# Altium PCB smu_unit.PcbDoc (part 3 of 3)
Units mil, origin at the board's own origin, x right, y up, seen from the top; angles counter-clockwise.
Board outline 6066 x 1900 mil, 4 copper layers (L1, L2, L3, L4), stack 64.6 mil thick; 154 components, 103 nets, 549 pads, 1003 vias.
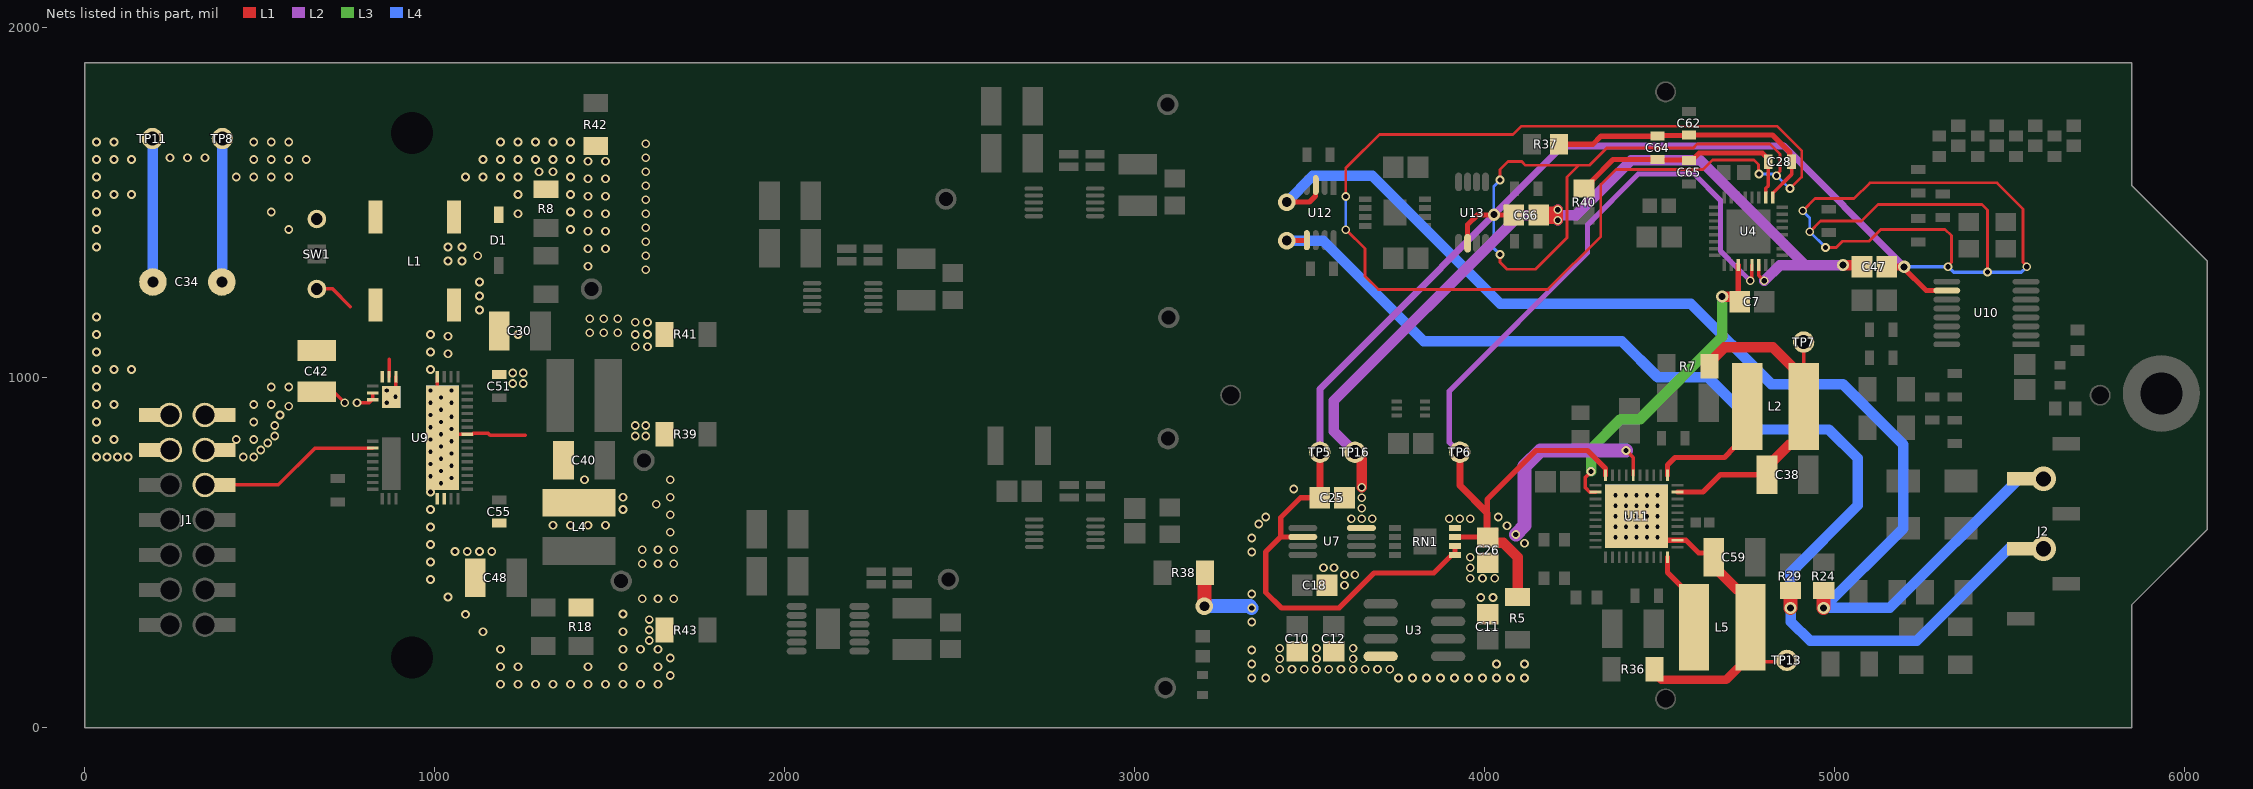
[diagram p5: the nets of this part, all layers, seen from the top]

## Via types
v1: diameter 25, hole 15, L1 to L4, tented both sides, 880 vias
v2: diameter 20, hole 12, L1 to L4, tented both sides, 59 vias
v3: diameter 35, hole 20, L1 to L4, tented both sides, 37 vias
v4: diameter 50, hole 28, L1 to L4, tented both sides, 16 vias
v5: diameter 70.87, hole 43.31, L1 to L4, tented both sides, 6 vias
v6: diameter 40, hole 25, L1 to L4, tented both sides, 3 vias
v7: diameter 35, hole 20, L1 to L4, tented bottom, 1 vias
v8: diameter 40, hole 20, L1 to L4, tented both sides, 1 vias

## Nets (pads, with @x,y where several pads share a name; then routed paths per layer and width w, separated by ;. In a path a pad name is that pad's centre, name@x,y a point inside that pad or via, vN(x,y) a via of type N, cw(c..) or ccw(c..) an arc to the next point about the centre after c; other vN are vias at no path point) (continued)
PGNDP: C34.2 C42.1 J1.3 J1.4 pad.1@243.11,793.59 pad.1@343.11,793.59 SW1.2 TP11.1 U9.28 U9.32 U9.33 U9.44 | length 626.8
  L1 w10: C42.1@663.11,958.59 713.11,958.59 v1(743.11,928.59) ; v1(778.11,928.59) 813.11,928.59 823.11,938.59 U9.32@823.11,953.59 ; U9.44@888.11,944.03 889.21,945.13 U9.28@889.21,1003.2
  L3 w10: TP11.1@193.11,1683.59 TP11.1@193.9,1682.81 ; C34.2@193.9,1274.38 C34.2@194.68,1273.59
  L4 w30: C34.2@193.9,1274.38 TP11.1@193.9,1682.81
  other v1: 33.11,773.59 63.11,773.59 93.11,773.59 123.11,773.59 453.11,773.59 483.11,773.59 503.11,793.59 523.11,813.59 33.11,823.59 83.11,823.59 433.11,823.59 483.11,823.59 543.11,833.59 543.11,863.59 33.11,873.59 483.11,873.59 558.11,893.59 583.11,918.59 33.11,923.59 83.11,923.59 483.11,923.59 533.11,923.59 33.11,973.59 533.11,973.59 583.11,973.59 33.11,1023.59 83.11,1023.59 133.11,1023.59 33.11,1073.59 33.11,1123.59 33.11,1173.59 33.11,1373.59 33.11,1423.59 583.11,1423.59 33.11,1473.59 533.11,1473.59 33.11,1523.59 83.11,1523.59 133.11,1523.59 33.11,1573.59 433.11,1573.59 483.11,1573.59 533.11,1573.59 583.11,1573.59 33.11,1623.59 83.11,1623.59 133.11,1623.59 483.11,1623.59 533.11,1623.59 583.11,1623.59 633.11,1623.59 243.11,1628.59 293.11,1628.59 343.11,1628.59 33.11,1673.59 83.11,1673.59 483.11,1673.59 533.11,1673.59 583.11,1673.59
  other v2: 863.11,928.59 888.11,945.59 863.11,963.59
PGOOD: J1.6 pad.1@343.11,693.59 U9.35 | length 523.5
  L1 w10: pad.1@343.11,693.59 J1.6@395.47,693.59 553.11,693.59 658.58,799.07 U9.35@822.88,799.07
REFGND: C10.2 C11.2 C12.2 C18.2 C25.1 C26.1 C47.1 C66.1 R38.2 RN1.4 TP16.1 U3.4 U4.6 U7.4 U11.6 | length 3304
  L1 w10: v1(4405,792) 4425.13,771.87 4425.13,721.64 U11.6@4425.27,721.5 ; U4.6@4784.69,1322 4784.69,1292.31 v1(4800,1277)
  L1 w30: TP16.1@3630,787 3650,767 v1(3650,687) ; v1(4210,1450) v1(4210,1480) ; v3(5025,1322) 5025.96,1321.04 5075.52,1321.04 C47.1@5079.57,1317
  L1 w40: v4(3200,347) 3200,440.46 R38.2@3202.13,442.59
  L1 w50: C66.1@4155.43,1465 4200,1465
  L2 w30: TP16.1@3630,787 3570,847 3570,934 4101,1465 4195,1465 ; v1(4210,1450) 4210,1465 ; v1(4210,1480) 4210,1465 ; v1(4800,1277) 4845,1322 4917,1322 ; v3(5025,1322) 4917,1322 ; 4210,1465 4263,1465 4420,1622 4617,1622 4917,1322
  L2 w40: v1(4090,552) 4115,577 4115,747 4160,792 v1(4405,792)
  L4 w40: v4(3200,347) 3330,347 v1(3335,342)
  other v1: 3335,142 3375,142 3755,142 3795,142 3835,142 3875,142 3915,142 3955,142 3995,142 4035,142 4075,142 4115,142 3415,167 3450,167 3485,167 3520,167 3555,167 3590,167 3625,167 3660,167 3695,167 3730,167 3335,182 4035,182 4115,182 3415,197 3520,197 3625,197 3335,222 3415,227 3520,227 3625,227 3335,302 3990,372 4025,372 3335,382 3600,407 3960,427 3995,427 4030,427 3600,437 3630,437 3540,457 3570,457 3960,457 3960,487 3335,502 4115,527 3335,542 4065,577 3355,582 3620,597 3650,597 3680,597 3900,597 3930,597 3960,597 3375,602 4040,602 3650,627 3650,657 3455,682
SGND1: C30.2 C40.1 C48.2 C51.1 C55.2 L1.1 L4.2 R8.1 R18.1 R39.2 R41.1 R42.1 R43.1 U9.4 U9.5 U9.16 U9.27 U9.43 | length 488.9
  L1 w10: U9.43@1006.03,812.42 U9.43@1022.2,828.59 ; U9.43@1007.32,828.59 U9.27@1007.32,1003.2 ; U9.43@1027.01,803.59 1027.01,808.5 U9.43@1027.01,823.79 ; U9.43@1027.11,803.59 1022.2,808.5 1022.2,823.79 U9.43@1022.2,828.59 ; 1259.11,835.59 1158.11,835.59 1153.11,840.59 1110.06,840.59 1108.06,838.59 1093.5,838.59 U9.16@1093.34,838.44 1093.34,838.59 1093.18,838.44 1032.04,838.44 U9.43@1022.2,828.59
  other v1: 1188.11,123.59 1238.11,123.59 1288.11,123.59 1338.11,123.59 1388.11,123.59 1438.11,123.59 1488.11,123.59 1538.11,123.59 1588.11,123.59 1638.11,123.59 1673.11,148.59 1188.11,173.59 1238.11,173.59 1438.11,173.59 1538.11,173.59 1638.11,173.59 1673.11,198.59 1188.11,223.59 1538.11,223.59 1588.11,223.59 1638.11,223.59 1613.11,248.59 1138.11,273.59 1538.11,273.59 1613.11,278.59 1613.11,308.59 1088.11,323.59 1538.46,324.64 1593.11,368.59 1638.11,368.59 1683.11,368.59 1038.11,373.59 988.11,423.59 1593.11,468.59 1638.11,468.59 1683.11,468.59 988.11,473.59 1058.11,503.59 1093.11,503.59 1128.11,503.59 1163.11,503.59 1593.11,508.59 1638.11,508.59 1683.11,508.59 988.11,523.59 1673.11,558.59 988.11,573.59 1338.11,578.59 1388.11,578.59 1438.11,578.59 1488.11,578.59 1673.11,608.59 988.11,623.59 1538.11,623.59 1633.11,638.59 1538.11,658.59 1673.11,658.59 988.11,673.59 1428.11,708.59 1673.11,708.59 1573.11,833.59 1603.11,833.59 1573.11,863.59 1603.11,863.59 1223.11,983.59 1253.11,983.59 1223.11,1013.59 1253.11,1013.59 988.11,1023.59 1038.11,1068.59 988.11,1073.59 1573.11,1088.59 1608.11,1088.59 1038.11,1118.59 988.11,1123.59 1238.11,1123.59 1573.11,1123.59 1608.11,1123.59 1443.11,1128.59 1483.11,1128.59 1523.11,1128.59 1573.11,1158.59 1608.11,1158.59 1443.11,1168.59 1483.11,1168.59 1523.11,1168.59 1128.11,1193.59 1128.11,1233.59 1128.11,1273.59 1603.11,1308.59 1438.11,1318.59 1038.11,1333.59 1078.11,1333.59 1123.11,1348.59 1603.11,1348.59 1438.11,1368.59 1488.11,1368.59 1038.11,1373.59 1078.11,1373.59 1603.11,1388.59 1438.11,1418.59 1488.11,1418.59 1388.11,1423.59 1603.11,1428.59 1238.11,1468.59 1438.11,1468.59 1488.11,1468.59 1603.11,1468.59 1388.11,1473.59 1603.11,1508.59 1438.11,1518.59 1488.11,1518.59 1238.11,1523.59 1388.11,1523.59 1603.11,1548.59 1438.11,1568.59 1488.11,1568.59 1088.11,1573.59 1138.11,1573.59 1188.11,1573.59 1238.11,1573.59 1388.11,1573.59 1298.11,1588.59 1338.11,1588.59 1603.11,1588.59 1438.11,1618.59 1488.11,1618.59 1138.11,1623.59 1188.11,1623.59 1238.11,1623.59 1288.11,1623.59 1338.11,1623.59 1388.11,1623.59 1603.11,1628.59 1603.11,1668.59 1188.11,1673.59 1238.11,1673.59 1288.11,1673.59 1338.11,1673.59 1388.11,1673.59
  other v2: 1018.11,698.59 1048.11,713.59 988.11,718.59 1018.11,733.59 1048.11,748.59 988.11,753.59 1018.11,768.59 1048.11,783.59 988.11,788.59 1018.11,803.59 1048.11,818.59 988.11,823.59 1018.11,838.59 1048.11,853.59 988.11,858.59 1018.11,873.59 1048.11,888.59 988.11,893.59 1018.11,908.59 988.11,928.59 1048.11,928.59 1018.11,943.59 988.11,963.59 1048.11,963.59
SW+: L2.1 U11.1 | length 373.4
  L1 w15: U11.1@4523.69,721.5 4523.69,750.69 4545,772 4686,772 4715.48,801.48 4751.29,837.29 L2.1@4751.29,918
SW-: L5.1 U11.30 | length 231.3
  L1 w15: U11.30@4523.69,487 4523.69,443.31 4599.29,367.71 L5.1@4599.29,287
SWP: L1.3 U9.29 | length 49
  L1 w10: U9.29@869.53,1003.2 869.53,1052.18
SWPS: D1.1 L1.4
VDPC+: C38.1 L2.2 R7.2 TP7.1 U11.39 | length 1046.3
  L1 w10: TP7.1@4910,1102 4912.71,1099.29 4912.71,998.71 L2.2@4912.71,918
  L1 w15: U11.39@4552.36,673.15 4625.31,673.15 4675.17,723 C38.1@4807.94,723
  L1 w30: R7.2@4643.02,1033 4643.02,1042.84 4687.18,1087 4824.42,1087 L2.2@4912.71,998.71 ; C38.1@4807.94,723 4807.94,748.59 4822.47,763.12 4826.12,763.12 4871.98,808.98 4884.4,808.98 4912.71,837.29 L2.2@4912.71,918 ; TP7.1@4910,1102 TP7.1@4912.71,1102
VDPC-: C59.2 L5.2 R36.2 TP13.1 U11.32 U11.41 | length 964.3
  L1 w10: C59.2@4655.94,487 C59.2@4673.24,469.71 ; L5.2@4760.71,287 4760.71,230.31 4760.71,226.31 4799.02,188 4861,188 TP13.1@4865,192
  L1 w15: U11.41@4514.4,536 4515.04,535.35 U11.32@4552.36,535.35 4576.65,535.35 4612.7,499.3 4643.65,499.3 C59.2@4655.94,487
  L1 w25: R36.2@4486.02,167 4486.02,157.16 4506.18,137 4691.42,137 4760.71,206.29 L5.2@4760.71,230.31
  L1 w30: C59.2@4655.94,487 4655.94,461.41 4721.34,396.02 4732.4,396.02 4760.71,367.71 L5.2@4760.71,287
  other v2: 4375.11,544.25 4405.11,544.25 4435.11,544.25 4465.11,544.25 4495.11,544.25 4375.11,574.25 4405.11,574.25 4435.11,574.25 4465.11,574.25 4495.11,574.25 4375.11,604.25 4405.11,604.25 4435.11,604.25 4465.11,604.25 4495.11,604.25 4375.11,634.25 4405.11,634.25 4435.11,634.25 4465.11,634.25 4495.11,634.25 4375.11,664.25 4405.11,664.25 4435.11,664.25 4465.11,664.25 4495.11,664.25
VINP: C34.1 C42.2 J1.1 J1.2 L1.2 pad.1@243.11,893.59 pad.1@343.11,893.59 SW1.3 TP8.1 U9.30 | length 527.4
  L1 w10: SW1.3@663.11,1253.59 708.11,1253.59 758.83,1202.87
  L3 w10: C34.1@391.53,1273.59 C34.1@392.32,1274.38 ; TP8.1@392.32,1682.81 TP8.1@393.11,1683.59
  L4 w30: C34.1@392.32,1274.38 TP8.1@392.32,1682.81
VLDO: C7.1 U4.3 U11.12 | length 916.8
  L1 w10: v1(4305,732) 4305,731 4289,715 4289,686 4301.85,673.15 U11.12@4317.86,673.15
  L1 w15: U4.3@4725.63,1322 4725.63,1240.94 C7.1@4729.57,1237
  L1 w30: v3(4680,1232) 4714.57,1232 C7.1@4729.57,1217
  L3 w30: v1(4305,732) 4305,797 4390,882 4445,882 4680,1117 v3(4680,1232)
Vref: C26.2 R5.2 RN1.3 TP6.1 U4.5 U11.10 | length 2691.5
  L1 w10: v1(4760,1277) 4765,1282 U4.5@4765,1322
  L1 w15: RN1.3@3915.91,544.59 C26.2@4007.84,544.59 ; 4008,614 4008,652 4148,792 4295,792 4346.53,740.47 U11.10@4346.53,721.5 ; C26.2@4024.53,553.52 4024.53,555.98 C26.2@4033.01,564.46
  L1 w20: TP6.1@3930,787 3930,692 4008,614 4008,544.43 C26.2@4010,542.43
  L1 w30: C26.2@4010,542.43 4024.53,527.91 4054.09,527.91 4095,487 R5.2@4095,373.02
  L2 w15: TP6.1@3930,787 3928,787 3900,815 3900,962 4295,1357 4295,1437 4440,1582 4600,1582 4675,1507 4675,1362 4724.04,1312.96 v1(4760,1277)
Vref/2: C25.2 C47.2 C66.2 RN1.1 RN1.2 TP5.1 U7.6 U10.10 U13.2 | length 11487.4
  L1 w8: v1@3602,1423 3605,1423 3659,1369 3659,1290 3697,1252 4181,1252 4333,1404 4333,1552 4376,1595 4625,1595 4652,1622 4771,1622 4784,1609 4784,1583 v1(4785,1582) ; v1(3604,1518) 3604,1599 3615,1610 3700,1695 4082,1695 4106,1719 4837,1719 4907,1649 4907,1574 v1@4875,1542 ; v1(4045,1352) 4045,1330 4065,1310 4146,1310 4153,1317 4236,1400 4236,1574 4269,1607 4271,1607 ; v1(4045,1565) 4045,1595 4068,1618 4107,1618 4118,1607 4120,1607 4271,1607 ; v1(4835,1577) 4835,1580.19 4845,1590.19 4845,1639 4816,1668 4608,1668 4597,1657 4350,1657 4300,1607 4271,1607 ; v1(4910,1477) 4945,1512 5057,1512 5102,1557 5198,1557 ; v1(4930,1417) 4961,1448 5017,1448 5078,1448 5125,1495 5212,1495 ; v1(4975,1372) 5006,1372 5024,1390 5099,1390 5133,1424 5208.67,1424 5317,1424 5335,1406 5335,1335.66 5335,1330.19 5325,1320.19 v1(5325,1317) v1@5325,1325.66 ; 5196.68,1557 5465,1557 5540,1482 5540,1335.66 5540,1330.19 5550,1320.19 v1(5550,1317) v1@5550,1325.66 ; 5209.55,1495 5422,1495 5438,1479 v1(5438,1302)
  L1 w10: U7.6@3479.57,544.8 U7.6@3481.34,544.8
  L1 w15: U7.6@3479.57,544.8 3417.8,544.8 ; C25.2@3530,657.43 C25.2@3529.57,657 3475,657 3417.8,599.8 3417.8,544.8 ; RN1.2@3915.91,519 RN1.1@3915.91,493.41 3906.67,493.41 3905.91,492.64 3855.26,442 3685,442 3585,342 3420,342 3375,387 3375,502 3417.8,544.8 ; U13.2@3952.2,1384.4 3952.2,1437.2 3980,1465 C66.2@4084.57,1465 ; v3(5200,1317) 5200,1312 5263.02,1248.98 U10.10@5321.8,1248.98
  L1 w20: C25.2@3530,657.43 TP5.1@3530,785 ; C47.2@5150.43,1317 v3(5200,1317)
  L2 w20: TP5.1@3530,787 3530,968 4224,1662 4856,1662 5200,1318 v3(5200,1317)
  L4 w8: v1(3604,1423) v1(3604,1518) ; v1(4045,1352) 4027,1370 4027,1547 v1(4045,1565) ; v1(4785,1582) 4825.4,1582 4830.4,1577 4836,1577 4871,1542 v1@4875,1542 ; v1(4910,1477) 4930,1457 v1(4930,1417) ; v1@4931,1417 4975,1373 v1@4975,1371
  L4 w10: v3@5199,1318 v3(5200,1317) v1(5325,1317) ; v1@5325,1318 5342,1301 5535,1301 v1@5550,1316
  other v1: 4874,1541
  other v3: 4028,1466
VSENSE+: J2.2 R24.2 U12.3 | length 3625.8
  L1 w15: v4(3435,1502) 3500,1502 3517.79,1519.79 3517.79,1550.34 U12.3@3518.2,1550.76
  L1 w40: v3(4970,342) R24.2@4970,391.65
  L4 w30: v4(3435,1502) 3510,1577 3680,1577 4045,1212 4590,1212 4820,982 5025,982 5198,809 5198,570 v3(4970,342) 5159,342 5529,712 v5@5597.96,712
  other v5: 5598.04,711
VSENSE+/ADC: C28.2 C64.2 C65.1 R40.2 U4.18 | length 680.6
  L1 w10: U4.18@4804.37,1526.65 4804.37,1541.37 4811,1548 4811,1607.54 C28.2@4810.54,1608
  L1 w15: R40.2@4285,1540.39 4288.94,1540.39 4307.03,1558.48 4307.03,1562.41 4368.15,1623.54 C64.2@4495,1623.54 4496.54,1622 4583.46,1622 C65.1@4585,1620.46 4592.87,1620.46 4614.41,1642 4794.41,1642 4811.54,1624.87 C28.2@4811.54,1617 ; C28.2@4810.54,1608 C28.2@4810.54,1615.87
VSENSE-: J2.4 R29.2 U12.5 | length 3398.5
  L1 w15: v4(3435,1392) 3491.37,1392 U12.5@3492.61,1393.24
  L1 w40: v3(4875,342) R29.2@4875,391.65
  L4 w30: v4(3435,1392) 3539,1392 3826.5,1104.5 4392.5,1104.5 4495,1002 4639,1002 4789,852 4985,852 5067,770 5067,635 4875,443 v3(4875,342) 4875.96,341.04 4875.96,303.04 4931,248 5236,248 5500,512 v5@5597.96,512
  other v5: 5598.04,511
VSENSE-/ADC: C28.1 C62.2 C64.1 R37.2 U4.17 | length 829.7
  L1 w10: U4.17@4824.06,1514.91 4824.06,1527.06 4878,1581 C28.1@4878,1600.46
  L1 w15: R37.2@4213.39,1667 4310,1667 4333.46,1690.46 C64.1@4495,1690.46 4495,1692 4583.46,1692 C62.2@4585,1693.54 4823.46,1693.54 4873.17,1643.83 4873.17,1622.3 C28.1@4878.46,1617 ; C28.1@4877.62,1600.85 C28.1@4878,1600.46
pads on no net: RN1.9 RN2.9 U1.4 U2.4 U3.1 U3.3 U3.5 U3.7 U3.8 U4.1 U4.7 U4.8 U4.9 U4.10 U4.13 U4.14 U4.15 U4.16 U4.22 U4.23 U4.24 U4.25 U5.4 U6.4 U6.7 U7.1 U7.5 U7.8 U9.24 U9.25 U9.26 U11.9 U11.11 U11.17 U11.18 U11.28 U11.33 U13.7

## Polygon pours and split planes (outlines as drawn)
isoAGND on L3 "ISOAGND_L03_P084" (solid, remove dead copper, pour order 84): 3170,1900 5850,1900 5850,0 3170,0
isoDGND on L3 "ISODGND_L03_P083" (solid, remove dead copper, pour order 83): 3245,127 5057,127 5485,555 5485,814 5435,864 5435,1030 5590,1185 5590,1329 5265,1654 5265,1900 5850,1900 5850,0 3245,0
isoDGND on L3 "ISODGND_L03_P079" (solid, remove dead copper, pour order 79): 3185,0 3185,1095 4290,1095 4290,0
isoDGND on L3 "ISODGND_L03_P045" (solid, remove dead copper, pour order 45): 1818.11,873.59 1818.11,788.59 1713.11,788.59 1713.11,58.59 3148.11,58.59 3148.11,873.59
isoDGND on L3 "ISODGND_L03_P003" (solid, remove dead copper, pour order 3): 3245,802 3405,802 3405,672 3245,512
REFGND on L3 "REFGND_L03_P070" (solid, remove dead copper, pour order 70): 3455,707 3320,572 3320,127 4130,127 4130,537 4050,617 3700,617 3675,642 3675,692 3660,707
isoAGND on L3 "ISOAGND_L03_P031" (solid, remove dead copper, pour order 31): 1718.11,1835.59 3143.11,1835.59 3143.11,893.59 1718.11,893.59 1718.11,1078.59 1813.11,1078.59 1813.11,1168.59 1718.11,1168.59
PGNDP on L3 "PGNDP_L03_P005" (solid, remove dead copper, pour order 5): 18.11,758.59 488.11,758.59 558.11,828.59 558.11,873.59 598.11,913.59 903.11,913.59 903.11,1348.59 853.11,1398.59 853.11,1538.59 768.11,1538.59 618.11,1688.59 463.11,1688.59 418.11,1643.59 168.11,1643.59 123.11,1688.59 18.11,1688.59
-18.8V on L3 "-18.8V_L03_P027" (solid, remove dead copper, pour order 27): 1778.11,353.59 1778.11,58.59 2508.11,58.59 2508.11,343.59 2183.11,343.59 2148.11,378.59 2148.11,623.59 1998.11,623.59 1998.11,353.59
SGND1 on L3 "SGND1_L03_P018" (solid, remove dead copper, pour order 18): 1183.11,1688.59 1023.11,1528.59 1023.11,1178.59 973.11,1128.59 973.11,413.59 1173.11,213.59 1173.11,108.59 1698.11,108.59 1698.11,1633.59 1643.11,1688.59
MGND on L3 "MGND_L03_P010" (solid, remove dead copper, pour order 10): 18.11,733.59 533.11,733.59 638.11,838.59 903.11,838.59 903.11,413.59 593.11,103.59 18.11,103.59
isoDGND on L4 "ISODGND_L04_P089" (solid, remove dead copper, pour order 89): 3305,927 3843,927 3945,825 3945,617 3700,617 3675,642 3675,692 3660,707 3455,707 3305,557
isoAGND on L4 "ISOAGND_L04_P072" (solid, remove dead copper, pour order 72): 3170,1900 5850,1900 5850,0 3170,0
REFGND on L4 "REFGND_L04_P046" (solid, remove dead copper, pour order 46): 3455,707 3320,572 3320,127 4130,127 4130,537 4050,617 3700,617 3675,642 3675,692 3660,707
isoAGND on L4 "ISOAGND_L04_P035" (solid, remove dead copper, pour order 35): 2678.11,1835.59 2678.11,1553.59 2043.11,1553.59 2043.11,1283.59 1758.11,1283.59 1758.11,1168.59 1813.11,1168.59 1813.11,1078.59 1723.11,1078.59 1723.11,893.59 3143.11,893.59 3143.11,1835.59
isoDGND on L4 "ISODGND_L04_P033" (solid, remove dead copper, pour order 33): 2693.11,873.59 2693.11,623.59 1713.11,623.59 1713.11,58.59 3148.11,58.59 3148.11,873.59
SGND1 on L4 "SGND1_L04_P011" (solid, remove dead copper, pour order 11): 1183.11,1688.59 1023.11,1528.59 1023.11,1178.59 973.11,1128.59 973.11,413.59 1173.11,213.59 1173.11,108.59 1698.11,108.59 1698.11,1633.59 1643.11,1688.59
PGNDP on L4 "PGNDP_L04_P000" (solid, remove dead copper, pour order 0): 18.11,758.59 488.11,758.59 558.11,828.59 558.11,873.59 598.11,913.59 903.11,913.59 903.11,1348.59 853.11,1398.59 853.11,1538.59 768.11,1538.59 618.11,1688.59 463.11,1688.59 418.11,1643.59 168.11,1643.59 123.11,1688.59 18.11,1688.59
-18.8V on L4 "-18.8V_L04_P016" (solid, remove dead copper, pour order 16): 1778.11,353.59 1778.11,58.59 2508.11,58.59 2508.11,343.59 2183.11,343.59 2148.11,378.59 2148.11,623.59 1998.11,623.59 1998.11,353.59
MGND on L4 "MGND_L04_P004" (solid, remove dead copper, pour order 4): 18.11,733.59 533.11,733.59 638.11,838.59 903.11,838.59 903.11,413.59 593.11,103.59 18.11,103.59
isoDGND on L2 "ISODGND_L02_P090" (solid, remove dead copper, pour order 90): 5850,1900 5850,0 3170,0 3170,1900
isoDGND on L2 "ISODGND_L02_P044" (solid, remove dead copper, pour order 44): 1818.11,875.59 1818.11,788.59 1713.11,788.59 1713.11,58.59 3148.11,58.59 3148.11,875.59
isoAGND on L2 "ISOAGND_L02_P068" (solid, remove dead copper, pour order 68): 3170,1900 3170,1175 3220,1225 3505,1225 4095,1815 5220,1815 5255,1850 5255,1900
isoAGND on L2 "ISOAGND_L02_P001" (solid, remove dead copper, pour order 1): 3245,1357 3515,1357 3515,1252 3245,1252
PGNDP on L2 "PGNDP_L02_P007" (solid, remove dead copper, pour order 7): 18.11,758.59 488.11,758.59 558.11,828.59 558.11,873.59 598.11,913.59 903.11,913.59 903.11,1348.59 853.11,1398.59 853.11,1538.59 768.11,1538.59 618.11,1688.59 463.11,1688.59 418.11,1643.59 168.11,1643.59 123.11,1688.59 18.11,1688.59
REFGND on L2 "REFGND_L02_P080" (solid, remove dead copper, pour order 80): 3455,707 3320,572 3320,127 4130,127 4130,537 4050,617 3700,617 3675,642 3675,692 3660,707
-18.8V on L2 "-18.8V_L02_P026" (solid, remove dead copper, pour order 26): 1778.11,353.59 1778.11,58.59 2508.11,58.59 2508.11,343.59 2183.11,343.59 2148.11,378.59 2148.11,623.59 1998.11,623.59 1998.11,353.59
isoAGND on L2 "ISOAGND_L02_P029" (solid, remove dead copper, pour order 29): 1718.11,1835.59 3143.11,1835.59 3143.11,893.59 1718.11,893.59 1718.11,1078.59 1813.11,1078.59 1813.11,1168.59 1718.11,1168.59
SGND1 on L2 "SGND1_L02_P017" (solid, remove dead copper, pour order 17): 1183.11,1688.59 1023.11,1528.59 1023.11,1178.59 973.11,1128.59 973.11,413.59 1173.11,213.59 1173.11,108.59 1698.11,108.59 1698.11,1633.59 1643.11,1688.59
MGND on L2 "MGND_L02_P009" (solid, remove dead copper, pour order 9): 18.11,733.59 533.11,733.59 638.11,838.59 903.11,838.59 903.11,413.59 593.11,103.59 18.11,103.59
isoAGND on L1 "ISOAGND_L01_P088" (solid, remove dead copper, pour order 88): 3245,1847 3245,52 5790,52 5790,1847
isoDGND on L1 "ISODGND_L01_P087" (solid, remove dead copper, pour order 87): 3305,1005 3335,1005 3413,927 3843,927 3945,825 3945,617 3700,617 3675,642 3675,692 3660,707 3455,707 3305,557
isoDGND on L1 "ISODGND_L01_P086" (solid, remove dead copper, pour order 86): 4676,1443 4413,1443 4395,1425 4395,1313 4148.19,1066.19 4210.19,1004.19 4489,1283 4571,1283 4595,1307 4595,1362 4627,1394 4676,1394
isoDGND on L1 "ISODGND_L01_P085" (solid, remove dead copper, pour order 85): 4465,514 4465,449 4423,407 4407,407 4352,352 4140,352 4140,541 4055,626 4055,688 4151,784 4292,784 4345,731 4345,514
isoDGND on L1 "ISODGND_L01_P082" (solid, remove dead copper, pour order 82): 5730,1787 5269.91,1787 5270.1,1610 5730,1610
isoDGND on L1 "ISODGND_L01_P077" (solid, remove dead copper, pour order 77): 5730,1112 5570,1112 5475,1017 5475,882 5500,857 5715,857 5730,872
5.5V on L1 "5.5V_L01_P052" (solid, remove dead copper, pour order 52): 4495,705 4495,797 4485,807 4485,887 4465,907 4465,1132 4300,1132 4300,875 4450,875 4450,807 4460,797 4465,797 4475,787 4475,705
REFGND on L1 "REFGND_L01_P043" (solid, remove dead copper, pour order 43): 3455,707 3320,572 3320,127 4130,127 4130,537 4050,617 3700,617 3675,642 3675,692 3660,707
isoDGND on L1 "ISODGND_L01_P030" (solid, remove dead copper, pour order 30): 1818.11,875.59 1818.11,788.59 1713.11,788.59 1713.11,58.59 3148.11,58.59 3148.11,875.59
isoAGND on L1 "ISOAGND_L01_P028" (solid, remove dead copper, pour order 28): 1718.11,1835.59 3143.11,1835.59 3143.11,893.59 1718.11,893.59 1718.11,1078.59 1813.11,1078.59 1813.11,1168.59 1718.11,1168.59
SGND1 on L1 "SGND1_L01_P008" (solid, remove dead copper, pour order 8): 1183.11,1688.59 1023.11,1528.59 1023.11,1178.59 973.11,1128.59 973.11,413.59 1173.11,213.59 1173.11,108.59 1698.11,108.59 1698.11,1633.59 1643.11,1688.59
MGND on L1 "MGND_L01_P006" (solid, remove dead copper, pour order 6): 18.11,733.59 533.11,733.59 638.11,838.59 903.11,838.59 903.11,413.59 593.11,103.59 18.11,103.59
PGNDP on L1 "PGNDP_L01_P002" (solid, remove dead copper, pour order 2): 18.11,758.59 488.11,758.59 558.11,828.59 558.11,873.59 598.11,913.59 903.11,913.59 903.11,1348.59 853.11,1398.59 853.11,1538.59 768.11,1538.59 618.11,1688.59 463.11,1688.59 418.11,1643.59 168.11,1643.59 123.11,1688.59 18.11,1688.59
isoDGND on L1 "ISODGND_L01_P076" (solid, remove dead copper, pour order 76): 5115,1267 5000,1267 5000,1177 5115,1177
VLDO on L1 "VLDO_L01_P054" (solid, remove dead copper, pour order 54): 4290,662 4281,671 4281,762 4315,762 4340,737 4340,662
VDPC+ on L1 "VDPC+_L01_P050" (solid, remove dead copper, pour order 50): 4545,681 4614,681 4690,757 4725,757 4755,787 4800,787 4830,817 4830,1032 4805,1057 4710,1057 4685,1032 4685,992 4595,992 4590,997 4590,1087 4650,1147 4815,1147 4895,1067 4975,1067 4975,807 4950,782 4885,782 4855,752 4855,662 4740,662 4725,677 4650,677 4635,662 4545,662
VDPC- on L1 "VDPC-_L01_P048" (solid, remove dead copper, pour order 48): 4535,547 4705,547 4705,462 4745,422 4815,422 4815,122 4445,122 4445,202 4460,217 4515,217 4525,217 4525,167 4535,157 4655,157 4695,197 4695,391.85
SW- on L1 "SW-_L01_P047" (solid, remove dead copper, pour order 47): 4515,504 4515,427 4535,407 4535,162 4660,162 4695,197 4695,392 4665,422 4615,422 4533,504
-15V on L1 "-15V_L01_P053" (solid, remove dead copper, pour order 53): 4515,504 4484.05,504 4484.05,436.05 4463,415 4463,355 4435.11,327.11 4435.11,256.11 4396,217 4280,217 4280,122 4445,122 4445,202 4460,217 4535,217 4535,407 4515,427
15V on L1 "15V_L01_P051" (solid, remove dead copper, pour order 51): 4495,707 4515,707 4515,757 4555,797 4555,862 4575,882 4575,1207 4465,1207 4465,907 4485,887 4485,807 4495,797
SW+ on L1 "SW+_L01_P049" (solid, remove dead copper, pour order 49): 4515,705 4515,757 4555,797 4630,797 4685,852 4685,1032 4710,1057 4805,1057 4830,1032 4830,817 4800,787 4755,787 4725,757 4610,757 4558,705
-18.8V on L1 "-18.8V_L01_P019" (solid, remove dead copper, pour order 19): 1778.11,353.59 1778.11,58.59 2508.11,58.59 2508.11,223.59 2183.11,223.59 2183.11,343.59 2148.11,378.59 2148.11,623.59 1998.11,623.59 1998.11,353.59
no net on Top Overlay (none): 1745.91,1723.49 1745.79,1724.08 1745.67,1724.68 1745.55,1725.27 1745.59,1725.27 cw(c1955.04,1769.42) 1741.76,1787.55 ccw(c1764.31,1861.89) 1764.37,1784.2 ccw(c1764.79,1860.08) 1829.56,1820.55 ccw(c1894.34,1860.11) 1894.75,1784.2 ccw(c1894.77,1862.39) 1917.33,1787.53 cw(c1705.08,1768.9) 1913.63,1725.23 1913.56,1725.23 cw(c1702.15,1769.83) 1890.4,1663.77 1890.42,1663.75 cw(c1697.36,1772.2) 1871.05,1634.84 1871.05,1634.85 cw(c1696.04,1773.32) 1829.6,1594.53 cw(c1963.31,1774.15) 1788.08,1634.74 1788.07,1634.74 cw(c1959.36,1770.21) 1771.09,1659.55 cw(c2083.4,1845.63) 1766.49,1667.5 cw(c1932.18,1758.64) 1753.07,1697.97 cw(c1968.54,1772.41) 1746.15,1722.29
no net on Top Overlay (solid): 1740.94,1769.45 ccw(c1955,1769.45) 1745.55,1725.27 1913.57,1725.27 ccw(c1705.03,1768.94) 1918.1,1768.94 ccw(c1705.03,1768.94) 1917.28,1787.57 cw(c1894.72,1862.42) 1894.72,1784.24 cw(c1894.72,1862.42) 1894.7,1784.24 cw(c1894.29,1860.15) 1894.29,1784.24 cw(c1894.29,1860.15) 1829.5,1820.59 cw(c1764.74,1860.11) 1764.74,1784.24 cw(c1764.74,1860.11) 1764.32,1784.24 cw(c1764.26,1861.94) 1764.26,1784.24 cw(c1764.26,1861.94) 1741.71,1787.59 ccw(c1955,1769.45)
no net on Top Overlay (solid): 1767.99,1663.14 ccw(c1957.17,1769.15) 1787.35,1634.28 1828.9,1674.69 1870.33,1634.39 ccw(c1696.65,1771.73) 1889.7,1663.29 1828.9,1721.7
no net on Bottom Overlay (solid): 5522.81,1575.81 ccw(c5823.28,1744.18) 5553.56,1529.97 5619.56,1594.15 5685.36,1530.14 ccw(c5409.51,1748.28) 5716.12,1576.05 5619.56,1668.82
no net on Bottom Overlay (none): 5487.74,1671.66 5487.56,1672.6 5487.37,1673.55 5487.17,1674.49 5487.24,1674.49 cw(c5819.9,1744.61) 5481.15,1773.41 ccw(c5516.97,1891.48) 5517.07,1768.09 ccw(c5517.73,1888.6) 5620.6,1825.82 ccw(c5723.49,1888.65) 5724.15,1768.09 ccw(c5724.18,1892.27) 5760.02,1773.38 cw(c5422.89,1743.79) 5754.13,1674.43 5754.03,1674.43 cw(c5418.24,1745.27) 5717.23,1576.82 5717.27,1576.78 cw(c5410.63,1749.04) 5686.51,1530.87 5686.5,1530.88 cw(c5408.54,1750.8) 5620.67,1466.84 cw(c5833.04,1752.13) 5554.72,1530.7 5554.71,1530.7 cw(c5826.76,1745.87) 5527.73,1570.11 cw(c6023.77,1865.66) 5520.43,1582.73 cw(c5783.59,1727.5) 5499.12,1631.14 cw(c5841.34,1749.37) 5488.13,1669.76
no net on Bottom Overlay (solid): 5479.85,1744.65 ccw(c5819.83,1744.65) 5487.17,1674.49 5754.04,1674.49 ccw(c5422.81,1743.85) 5761.23,1743.85 ccw(c5422.81,1743.85) 5759.93,1773.44 cw(c5724.1,1892.33) 5724.1,1768.15 cw(c5724.1,1892.33) 5724.07,1768.15 cw(c5723.41,1888.71) 5723.41,1768.15 cw(c5723.41,1888.71) 5620.51,1825.88 cw(c5517.65,1888.66) 5517.65,1768.15 cw(c5517.65,1888.66) 5516.98,1768.15 cw(c5516.89,1891.56) 5516.89,1768.15 cw(c5516.89,1891.56) 5481.07,1773.47 ccw(c5819.83,1744.65)

## Keep-outs
Keep-Out Layer:
  the board outline again, w8

## Other copper
L1:
  rectangle net MGND: 884.11,623.59 903.11,681.59
  rectangle net MGND: 838.11,813.59 903.11,838.59
  rectangle net isoAGND: 1868.11,373.59 1984.22,623.59
  region net 5.15V: 1457.11,708.59 1603.11,708.59 1628.11,733.59 1628.11,788.59 1603.11,813.59 1563.11,813.59 1543.11,833.59 1543.11,1073.59 1423.11,1073.59 1423.11,843.59 1457.11,809.59
  region net SGND1: 1253.11,198.59
  region net SGND1: 1185.11,204.59
  region net SGND1: 1188.11,203.59
  region net 18.8V: 1163.11,1233.59 1228.11,1233.59 1273.11,1188.59 1273.11,1068.59 1373.11,1068.59 1373.11,1218.59 1463.11,1218.59 1483.11,1238.59 1483.11,1268.59 1463.11,1288.59 1373.11,1288.59 1353.11,1308.59 1278.11,1308.59 1268.11,1318.59 1268.11,1343.59 1163.11,1343.59
  region net -18.8V: 1198.11,493.59 1198.11,343.59 1263.11,278.59 1348.11,278.59 1348.11,363.59 1368.11,383.59 1548.11,383.59 1568.11,403.59 1568.11,433.59 1548.11,453.59 1298.11,453.59 1258.11,493.59
  region net SWPS: 1043.11,1403.59 1028.11,1418.59 1028.11,1513.59 1178.11,1513.59 1198.11,1493.59 1198.11,1403.59
  region net MGND: 744.11,686.09 744.11,592.09 615.61,463.59 488.11,463.59 488.11,483.59 690.61,686.09
  region net VINP: 443.11,883.59 443.11,1098.59 523.11,1018.59 813.11,1018.59 825.11,1006.59 825.11,986.59 855.11,986.59 855.11,1029.59 851.11,1033.59 851.11,1254.59 826.11,1279.59 778.11,1279.59 743.11,1244.59 743.11,1178.59 708.11,1143.59 703.11,1143.59 557.11,1143.59 478.11,1222.59 478.11,1303.59 428.11,1353.59 353.11,1353.59 303.11,1303.59 303.11,993.59 253.11,943.59 138.11,943.59 138.11,848.59 408.11,848.59
  region net SWP: 788.11,1538.59 788.11,1348.59 863.11,1273.59 863.11,1033.59 878.11,1033.59 898.11,1053.59 898.11,1348.59 853.11,1393.59 853.11,1538.59
  region net 18.8V: 2031.11,1225.59 2106.11,1225.59 2106.11,1290.59 2046.11,1290.59 2031.11,1305.59 2031.11,1390.59 2031.11,1565.59 1921.11,1565.59 1921.11,1225.59 2031.11,1225.59
  region net 18.8V: 2665,1496 2740,1496 2740,1561 2680,1561 2665,1576 2665,1661 2665,1836 2555,1836 2555,1496 2665,1496
  region net -15V: 2184.22,312.48 2234.22,312.48 2254.22,332.48 2254.22,387.48 2224.22,387.48 2224.22,432.48 2289.22,432.48 2289.22,462.48 2159.22,462.48 2159.22,372.48 2184.22,347.48
  region net NetC19_4: 2299.22,269.69 2509.22,269.69 2509.22,332.48 2469.22,332.48 2379.22,422.48 2309.22,422.48 2309.22,387.48 2299.22,377.48 2299.22,309.88
  region net NetC23_2: 2261.82,252.48 2509.22,252.48 2509.22,183.59 2308.11,183.59 2261.82,229.88
  region net NetC9_2: 2326.11,1180.59 2511.11,1180.59 2511.11,1260.59 2321.11,1260.59 2291.11,1230.59 2291.11,1200.59 2311.11,1180.59
  region net 18.8V: 2226.11,1195.59 2276.11,1195.59 2286.11,1185.59 2286.11,1135.59 2226.11,1135.59
  region net 5.5V: 2216.11,1345.59 2281.11,1345.59 2291.11,1335.59 2291.11,1275.59 2281.11,1265.59 2226.11,1265.59 2216.11,1275.59
  region net NetC6_4: 2216.11,1355.59 2151.11,1355.59 2146.11,1360.59 2146.11,1440.59 2511.11,1440.59 2511.11,1270.59 2336.11,1270.59 2321.11,1285.59 2321.11,1355.59 2286.11,1390.59 2216.11,1390.59
  region net NetC21_2: 2960,1451 3145,1451 3145,1531 2955,1531 2925,1501 2925,1471 2945,1451
  region net 15V: 2850,1616 2915,1616 2925,1606 2925,1546 2915,1536 2860,1536 2850,1546
  region net NetC15_4: 2850,1626 2785,1626 2780,1631 2780,1711 3145,1711 3145,1541 2970,1541 2955,1556 2955,1626 2920,1661 2850,1661
  region net 18.8V: 2860,1466 2910,1466 2920,1456 2920,1406 2860,1406
  region net 5.15V: 2861.11,520.59 2911.11,520.59 2921.11,510.59 2921.11,460.59 2861.11,460.59
  region net NetC8_1: 2961.11,505.59 3146.11,505.59 3146.11,585.59 2951.11,585.59 2926.11,560.59 2926.11,520.59 2941.11,505.59
  region net NetC3_4: 2851.11,680.59 2786.11,680.59 2781.11,685.59 2781.11,765.59 3146.11,765.59 3146.11,595.59 2971.11,595.59 2956.11,610.59 2956.11,680.59 2921.11,715.59 2851.11,715.59
  region net isoDGND: 2851.11,675.59
  region net 3.3V: 2851.11,670.59 2916.11,670.59 2926.11,660.59 2926.11,600.59 2916.11,590.59 2861.11,590.59 2851.11,600.59
  region net 5.15V: 2576.11,875.59 2681.11,875.59 2681.11,730.59 2666.11,715.59 2666.11,625.59 2741.11,625.59 2741.11,550.59 2576.11,550.59
  text "10/2020" at 805,1815 h100
L3:
  rectangle net 18.8V: 1708.11,1581 2665,1836
  rectangle net 18.8V: 1708.11,1310.59 2031.11,1565.59
  rectangle net 5.15V: 1768.11,635.59 2681.11,875.59
  region net 5.15V: 1147.11,804.59 1155.11,812.59 1167.11,812.59 1185.11,794.59 1612.11,794.59 1629.11,777.59 1629.11,750.59 1611.11,732.59 1206.11,732.59 1147.11,791.59
  region net -15V: 2154.22,463.59 2154.22,373.59 2179.22,348.59 2493.11,348.59 2513.11,368.59 2513.11,463.59 2408.11,463.59 2408.11,438.59 2393.11,423.59 2373.11,423.59 2358.11,438.59 2358.11,463.59
  region net SGND1: 1298.11,1113.59
  region net isoAGND: 1703.11,623.59 1984.22,623.59 1984.22,373.59 1703.11,373.59
  region net 5.5V: 2216.11,1345.59 2371.11,1345.59 2411.11,1385.59 2411.11,1565.59 2511.11,1565.59 2511.11,1321.59 2455.11,1265.59 2226.11,1265.59 2216.11,1275.59
  region net 15V: 2850,1616 3005,1616 3045,1656 3045,1836 3145,1836 3145,1581 3100,1536 2860,1536 2850,1546
  region net 3.3V: 2851.11,670.59 3000.11,670.59 3046.11,716.59 3046.11,875.59 3146.11,875.59 3146.11,686.59 3050.11,590.59 2861.11,590.59 2851.11,600.59
L4:
  region net -18.8V: 1946.11,373.59 1946.11,623.59 1703.11,623.59 1703.11,373.59
  region net isoDGND: 1768.11,875.59 2631.11,875.59 2631.11,635.59 1768.11,635.59
  region net isoAGND: 2620,1836 2620,1581 1708.11,1581 1708.11,1836
  region net isoAGND: 1896.11,1240.59
  region net isoAGND: 1986.11,1565.59 1986.11,1310.59 1708.11,1310.59 1708.11,1565.59

## Silkscreen, mask and mechanical layers (free items; w line width, h text height)
Top Overlay:
  drawing of 144 lines, arcs and shapes, not listed
  text "+15V" at 2869.01,1751 h100
  text "G0" at 5300,1749 h60
  text "G1" at 5410,1749 h60
  text "G2" at 5521,1749 h60
  text "G3" at 5631,1749 h60
  text "(c) Lightwave Lab / RevA.1  byWZ" at 35,1745 h80
  text "vSense Gain Set" at 3592.5,1722 h60
  text "e" at 520,1680 h250
  text "SMU" at 2000,1680 h200
  text "iSense / Gain Set" at 5093.62,1652 h60
  text "1" at 5347,1604 h60
  text "1" at 5457,1604 h60
  text "1" at 5567,1604 h60
  text "1" at 5677,1604 h60
  text "1-CH Module" at 1924.58,1600 h100
  text "0" at 5288,1578 h60
  text "0" at 5398,1578 h60
  text "0" at 5508,1578 h60
  text "0" at 5618,1578 h60
  text "VIN" at 212.87,1556 h100
  text "5.5V" at 2255.43,1477 h100
  text "AGND" at 2996.44,1235 h80
  text "VP1" at 1442.15,1220 h100
  text "Source & / Measure" at 3347.29,1031 h100
  text "3.3V" at 2880.01,798 h100
  text "VP2" at 1597.15,730 h100
  text "g" at 5890,700 h150
  text "-15V" at 2380.01,486 h100
  text "VN" at 1517.15,390 h100
  text "DGND" at 2982.44,172 h80
  text "LDOs" at 2712.73,69 h100
  text "Isolated Power" at 1187.58,41 h100
  text "DATA I/O" at 47.58,22 h100
Bottom Overlay:
  drawing of 2215 lines, arcs and shapes, not listed
  text "(c) lightwave Lab" at 575,1800 h100
  text "1-CH / Module" at 1786.88,880 h140
  text "Precision SMU" at 3251.4,880 h260
  text "VINP" at 200,875 h30
  text "VINP" at 511.96,875 h30
  text "PGNP" at 205,770 h30
  text "PGNP" at 501.96,770 h30
  text "RGND" at 3785,770 h60
  text "Vref" at 3889,770 h60
  text "Vref/2" at 3491,762 h60
  text "LDAC" at 200,670 h30
  text "PGOOD" at 536.95,670 h30
  text "EARTH" at 5768.26,631.74 h30 r315
  text "FAULT" at 200,570 h30
  text "DADCS" at 536.95,570 h30
  text "VS+" at 5774.86,505.14 h30 r315
  text "DCLK" at 200,470 h30
  text "MVDD" at 506.96,470 h30
  text "LOAD+" at 5763.26,431.74 h30 r315
  text "MISO" at 200,370 h30
  text "MOSI" at 501.97,370 h30
  text "VS-" at 5773.26,311.74 h30 r315
  text "MGND" at 205,270 h30
  text "SS" at 506.96,270 h30
  text "LOAD-" at 5758.26,226.74 h30 r315
  text "INPUT" at 384,187 h40
  text "GUARD" at 5764.86,115.14 h30 r315
  text "OUTPUT" at 5730,85 h40
Top Solder:
  drawing of 177 lines, arcs and shapes, not listed
Bottom Solder:
  lines w10: 3500,1452 3500,1428 ; 3517,1524 3537,1544 3658,1544 4026,1176 4573,1176 4803,946 5010,946 5163,793 5163,587 4936,360 4936,327 4956,307 5176,307 5530,661 5624,661 5650,687 5650,734 5622,762 5528,762 5142,376 5141,376 5075,376 5070.31,380.69 5070.31,387.31 5233,550 5233,825 5040,1018 4837,1018 4605,1250 4062,1250 3700,1612 3484,1612 3395,1523 3395,1483 3416,1462 3455,1462 3514.5,1521.5 3519.5,1521.5 3544,1497 3545,1497 ; 3500,1428 3416,1428 3397,1409 3397,1373 3415,1355 3524,1355 3808,1071 4377,1071 4479,969 4621,969 4772,818 4972,818 5034,756 5034,651 4844,461 4844,290 4917,217 5252,217 5255,217 5500,462 5623,462 5650,489 5650,534 5622,562 5502,562 5216,276 4949,276 4906,319 4906,423 5100,617 5100,785 5000,885 4806,885 4656,1035 4513,1035 4411,1137 3846,1137 3555,1428 3500,1428
Mechanical 1:
  lines w10: 425.11,663.59 475.11,663.59 525.11,663.59 ; 425.11,763.59 475.11,763.59 525.11,763.59 ; 425.11,863.59 475.11,863.59 525.11,863.59 ; 425.11,963.59 475.11,963.59 525.11,963.59 ; 425.11,1063.59 475.11,1063.59 525.11,1063.59 ; 425.11,1163.59 475.11,1163.59 525.11,1163.59 ; 425.11,1263.59 475.11,1263.59 525.11,1263.59 ; 475.11,603.59 475.11,1323.59
  lines w60: 3275,82 5760,82 5760,1817 3275,1817 3275,82
Top Courtyard:
  lines w8: 5650,200 5650,835

## Text inside footprints (layer, text, board x,y; h text height)
J1: Top Overlay "1" at 171.06,981.39 h30 r270; Top Overlay "2" at 375.79,997.14 h30 r270; Top Overlay "13" at 171.06,213.67 h30 r270; Top Overlay "14" at 375.79,217.61 h30 r270
U9: Top Overlay "*" at 858.11,603.59 h30 r90; Mechanical 15 "*" at 850,624.96 h30 r90
U11: Top Overlay "*" at 4508.54,775.86 h30 r270; Mechanical 15 "*" at 4508.54,717.15 h30 r270